# Altium PCB MotherBoard.PcbDoc (part 6 of 10) (continued)
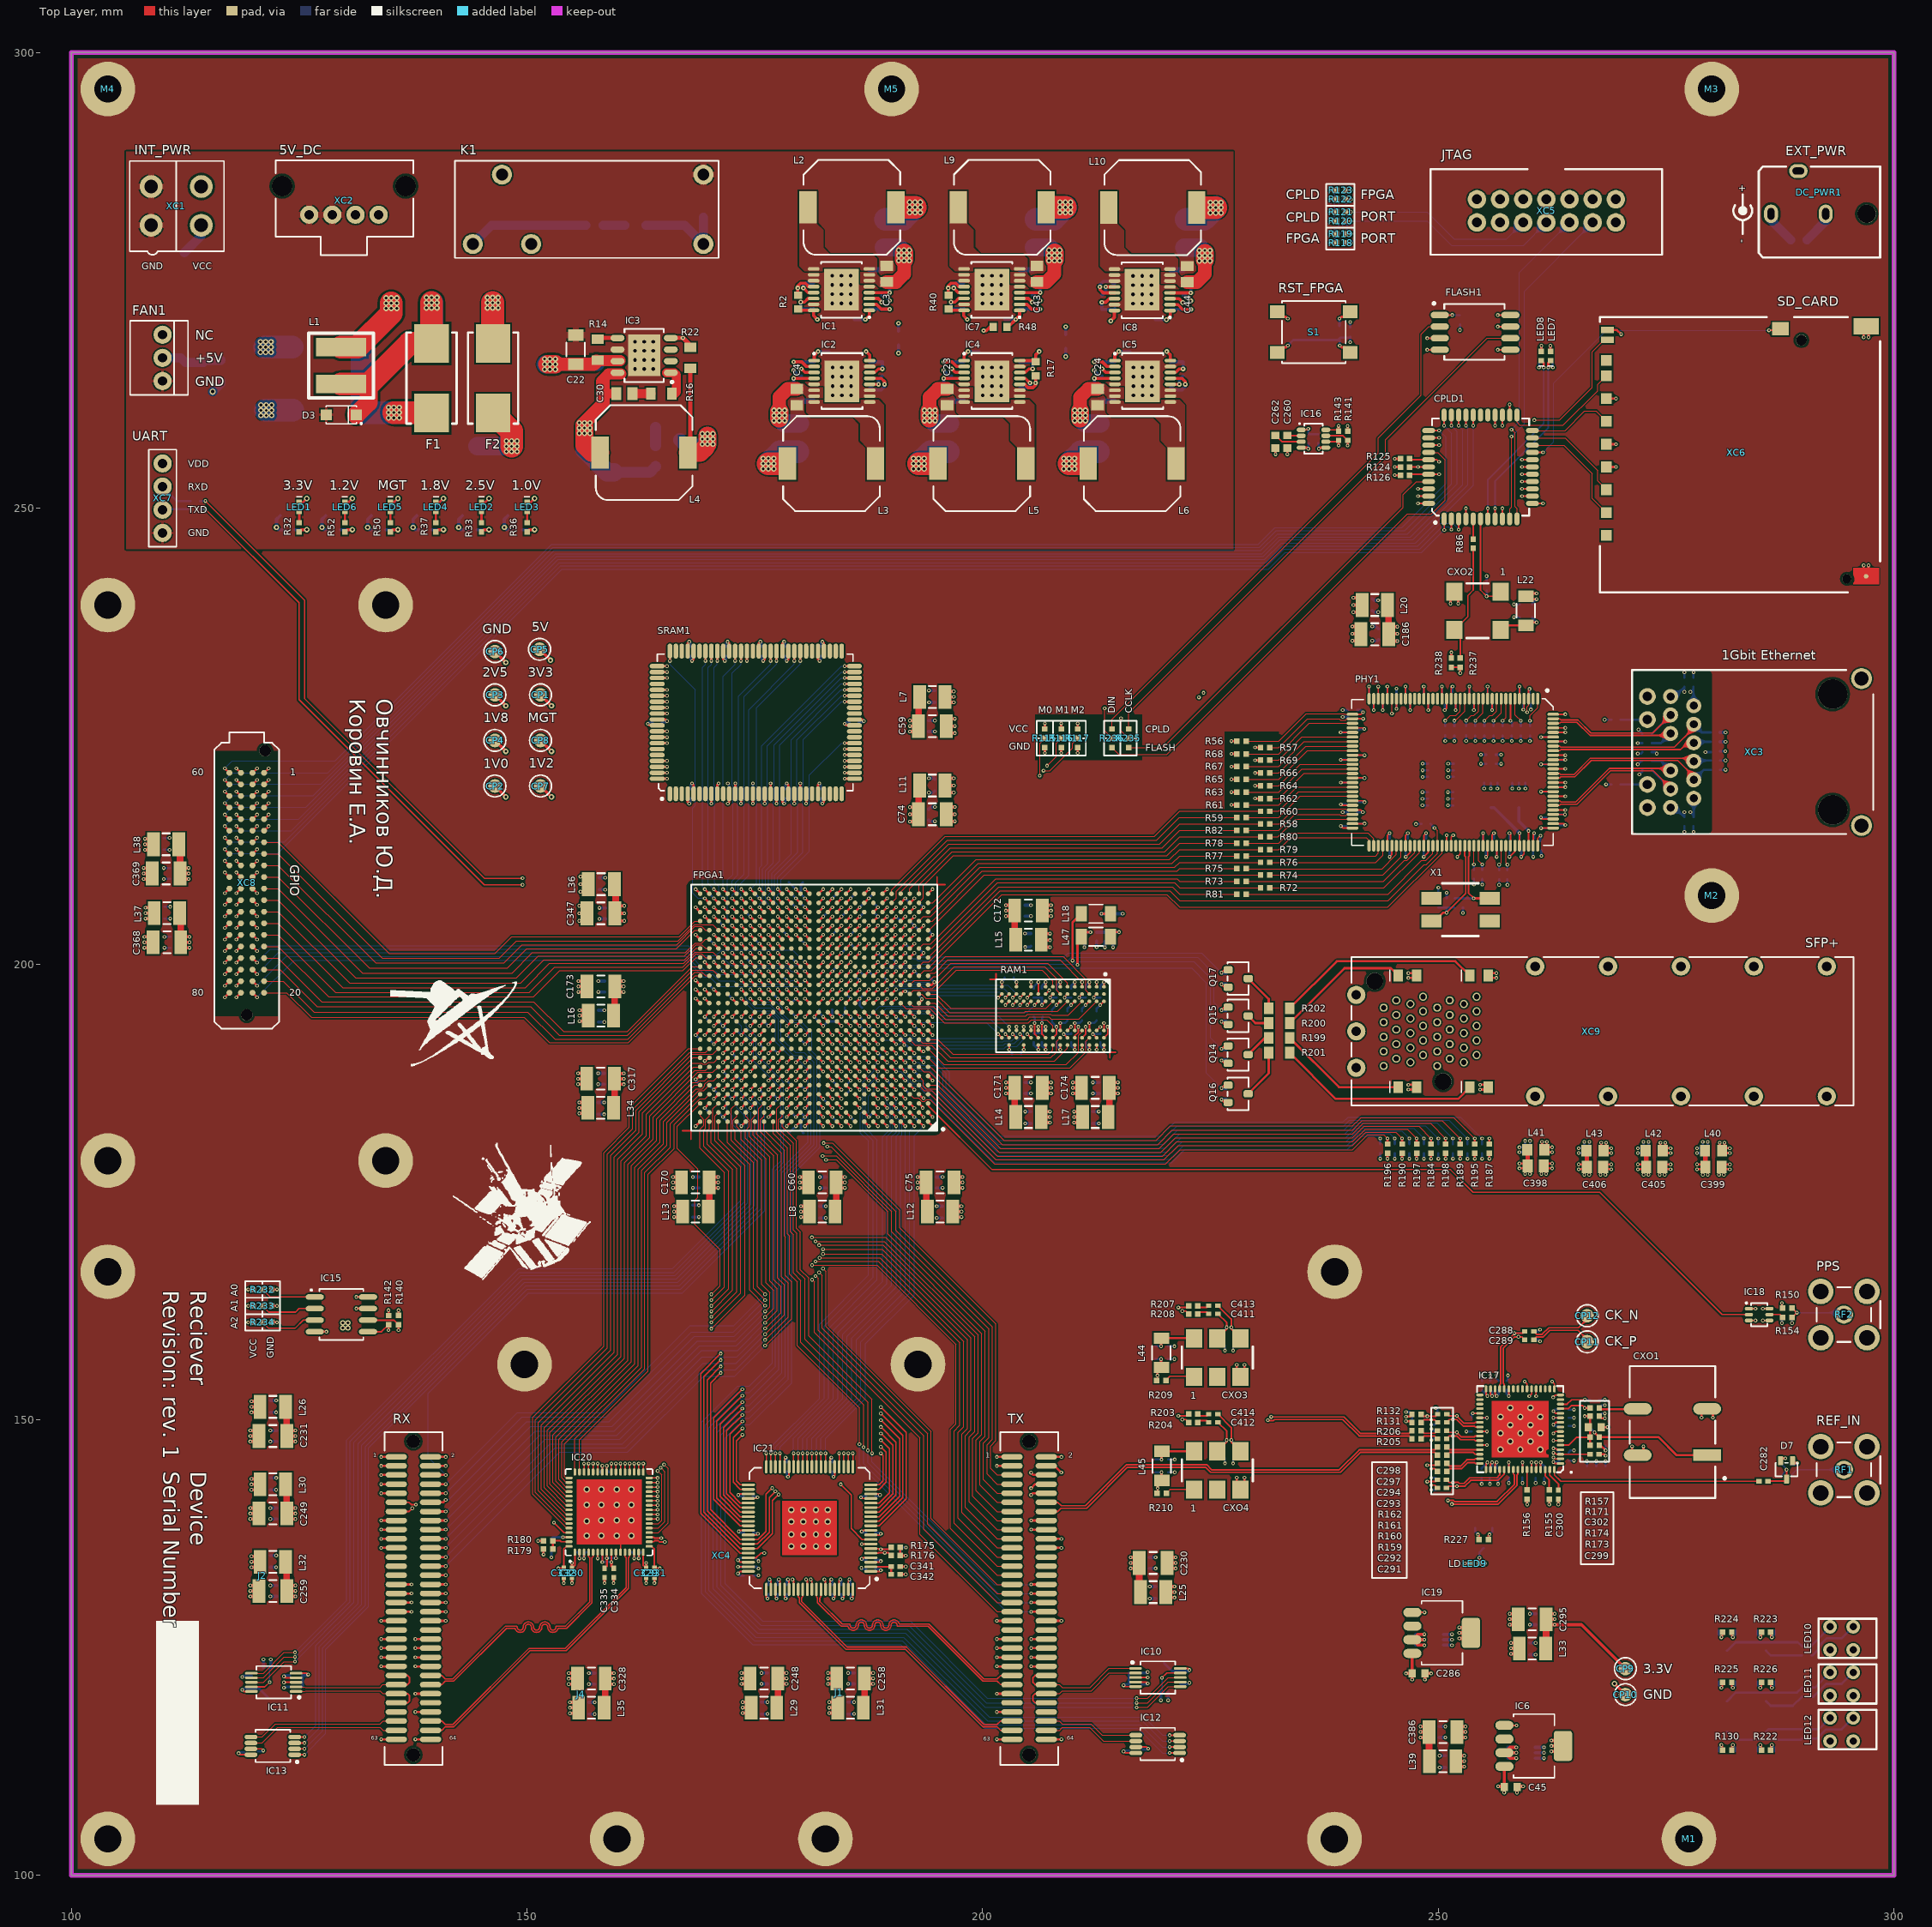
[diagram p0: Top Layer view]
## Nets (pads, with @x,y where several pads share a name; then routed paths per layer and width w, separated by ;. In a path a pad name is that pad's centre, name@x,y a point inside that pad or via, vN(x,y) a via of type N, cw(c..) or ccw(c..) an arc to the next point about the centre after c; other vN are vias at no path point) (continued)
  Top Layer w0.35: v1(107.927,209.325) C369.1@108.877,209.325 ; v1(107.927,209.925) C369.1@108.877,209.925 ; v1(107.927,210.525) C369.1@108.877,210.525 ; v1(108.002,201.775) C368.2@108.952,201.775 ; v1(108.002,202.375) C368.2@108.952,202.375 ; v1(108.002,202.975) C368.2@108.952,202.975 ; v1(119.626,139.1) C249.2@120.576,139.1 ; v1(119.626,139.7) C249.2@120.576,139.7 ; v1(119.626,140.3) C249.2@120.576,140.3 ; v1(119.626,147.6) C231.2@120.576,147.6 ; v1(119.626,148.2) C231.2@120.576,148.2 ; v1(119.626,148.8) C231.2@120.576,148.8 ; CP6.1@146.475,234.275 v2(147.675,233.075) ; v1(155.602,186.8) C317.2@156.552,186.8 ; v1(155.602,187.4) C317.2@156.552,187.4 ; v1(155.602,188) C317.2@156.552,188 ; v1(155.626,196.925) C173.1@156.576,196.925 ; v1(155.626,197.525) C173.1@156.576,197.525 ; v1(155.626,198.125) C173.1@156.576,198.125 ; v1(155.726,204.725) 156.452,204.725 C347.1@156.677,204.95 ; v1(155.726,206.375) 156.452,206.375 C347.1@156.677,206.15 ; v1(155.728,205.55) C347.1@156.677,205.55 ; v1(166.001,175.425) C170.1@166.951,175.425 ; v1(166.001,176.025) C170.1@166.951,176.025 ; v1(166.001,176.625) C170.1@166.951,176.625 ; v1(173.526,121) C248.2@174.476,121 ; v1(173.526,121.6) C248.2@174.476,121.6 ; v1(173.526,122.2) C248.2@174.476,122.2 ; v1(179.926,175.425) C60.2@180.876,175.425 ; v1(179.926,176.025) C60.2@180.876,176.025 ; v1(179.926,176.625) C60.2@180.876,176.625 ; C74.2@195.999,215.825 196.174,215.65 v1(196.95,215.65) ; C74.2@195.999,216.425 v1(196.949,216.425) ; C74.2@195.999,217.025 196.199,217.225 v1(196.95,217.225) ; C59.2@195.999,225.5 196.174,225.325 v1(196.95,225.325) ; C59.2@195.999,226.1 v1(196.949,226.1) ; C59.2@195.999,226.7 196.199,226.9 v1(196.95,226.9) ; C75.2@196.848,175.425 v1(197.798,175.425) ; C75.2@196.848,176.025 v1(197.798,176.025) ; C75.2@196.848,176.625 v1(197.798,176.625) ; C171.2@206.548,185.8 v1(207.497,185.8) ; C171.2@206.548,186.4 v1(207.497,186.4) ; C171.2@206.548,187 v1(207.497,187) ; C172.1@206.548,205.25 v1(207.497,205.25) ; C172.1@206.548,205.85 v1(207.497,205.85) ; C172.1@206.548,206.45 v1(207.497,206.45) ; v1(209.89,185.8) C174.2@210.84,185.8 ; v1(209.89,186.4) C174.2@210.84,186.4 ; v1(209.89,187) C174.2@210.84,187 ; C230.2@220.224,133.675 v1(221.174,133.675) ; C230.2@220.224,134.275 v1(221.174,134.275) ; C230.2@220.224,134.875 v1(221.174,134.875) ; v1(240.547,235.45) 241.323,235.45 C186.2@241.498,235.625 ; v1(240.547,237.025) 241.298,237.025 C186.2@241.498,236.825 ; v1(240.548,236.225) C186.2@241.498,236.225 ; v1(248.525,121.475) C286.2@248.525,122.15 v1(249.2,122.15) ; C386.1@252.024,115.125 v1(252.974,115.125) ; C386.1@252.024,115.725 v1(252.974,115.725) ; C386.1@252.024,116.325 v1(252.974,116.325) ; v1(252.3,126) 252.975,126 IC19.5@253.575,126.6 ; v1(252.3,126.6) IC19.5@253.575,126.6 ; v1(252.3,127.2) 252.975,127.2 IC19.5@253.575,126.6 ; v1(257.826,127.5) C295.1@258.776,127.5 ; v1(257.826,128.1) C295.1@258.776,128.1 ; v1(257.826,128.7) C295.1@258.776,128.7 ; v1(258.625,109.075) 258.625,109.75 v1(259.3,109.75) ; v1(262.4,113.6) 263.075,113.6 IC6.5@263.675,114.2 ; v1(262.4,114.2) IC6.5@263.675,114.2 ; v1(262.4,114.8) 263.075,114.8 IC6.5@263.675,114.2 ; v2(269.325,121.025) CP10.1@270.525,119.825
  Ground w1: J2.1@120.925,133.525 120.925,136.55 ; 155.9,116.225 J4.1@155.9,119.25 ; 184.2,116.4 J1.1@184.2,119.425
  Bottom Layer w0.18: C428.2@209.693,196.307 C428.2@209.7,196.3 ; v1(226.195,185.117) 226.32,185.242 R230.2@226.755,185.242 ; v1(226.195,189.417) 226.32,189.542 R228.2@226.755,189.542 ; v1(226.195,193.667) 226.32,193.792 R229.2@226.755,193.792 ; v1(226.195,197.767) 226.32,197.892 R231.2@226.755,197.892 ; v1(226.575,145.2) R213.1@226.575,145.817 ; v1(226.575,157.575) R211.1@226.575,158.192 ; v1(227.475,145.2) R214.1@227.475,145.817 ; v1(227.475,157.575) R212.1@227.475,158.192 ; v1(255.608,137.39) Q13.2@255.925,137.707 ; Q7.2@280.733,113.57 280.733,113.983 v1(281.05,114.3) ; v1(282.316,120.57) 282.633,120.887 Q11.2@282.633,121.3 ; v1(282.316,126.115) Q10.2@282.633,126.432 ; Q8.2@285.008,113.57 285.008,113.983 v1(285.325,114.3) ; v1(286.591,120.57) 286.908,120.887 Q12.2@286.908,121.3 ; v1(286.591,126.115) Q9.2@286.908,126.432
  Bottom Layer w0.25: v1(110.127,209.325) C365.2@110.801,209.325 ; v1(110.127,210.525) C367.2@110.801,210.525 ; C361.2@110.128,212.525 v1(110.775,212.525) ; C363.2@110.13,213.825 v1(110.776,213.825) ; v1(110.202,201.775) C364.2@110.876,201.775 ; v1(110.202,202.975) C366.2@110.876,202.975 ; C360.2@110.203,204.975 v1(110.85,204.975) ; C362.2@110.205,206.275 v1(110.851,206.275) ; v1(158.75,144.925) 158.75,144.5 C333.1@159,144.25 ; C358.1@164.8,226.5 165.2,226.5 v1(165.35,226.65) ; C348.1@167.95,219.2 167.95,219.65 v1(168.1,219.8) ; C359.1@167.95,233.8 167.95,233.4 v1(168.1,233.25) ; v1(168.5,192.2) C100.2@169,191.7 ; v1(168.5,203.2) C76.1@169,202.7 ; v1(169.5,200.2) C98.2@170,199.7 ; C85.1@170,186.7 v1(170.5,186.2) C131.1@171,185.7 ; C102.2@170,197.7 v1(170.5,197.2) C82.2@171,196.7 ; C78.2@170,207.7 v1(170.5,207.2) ; C117.1@171,183.7 v1(171.5,183.2) C132.1@172,182.7 ; C83.2@171,193.7 v1(171.5,193.2) C80.2@172,192.7 ; C101.2@171,204.7 v1(171.5,204.2) ; v1(171.7,233.25) 171.85,233.4 C357.1@171.85,233.8 ; v1(172.033,219.811) 172.183,219.661 172.183,219.208 C350.1@172.175,219.2 ; v1(172.5,190.2) C106.1@173,189.7 ; v1(172.5,201.2) C94.1@173,200.7 ; C86.1@173,187.7 v1(173.5,187.2) ; v1(173.5,208.2) C77.2@174,207.7 ; C95.2@174,205.7 v1(174.5,205.2) ; v1(174.5,194.2) C107.1@175,193.7 ; C311.1@174.775,141.6 175.16,141.6 v1(175.285,141.475) ; C352.1@174.775,219.2 174.784,219.209 174.775,219.217 174.784,219.226 v1(174.784,219.811) ; C313.1@174.815,137.6 175.2,137.6 v1(175.325,137.475) ; C96.2@175,202.7 v1(175.5,202.2) ; v1(175.5,191.2) C87.1@176,190.7 ; C355.1@175.75,233.8 175.75,233.4 v1(175.9,233.25) ; v1(176.5,199.2) C104.2@177,198.7 ; C133.1@177,184.675 177,184.7 v1(177.5,185.2) C116.1@177,185.7 ; C84.2@177,196.7 v1(177.5,196.2) ; C79.2@178,203.7 v1(178.5,203.2) C81.2@179,202.7 ; C354.1@178.35,219.2 178.35,219.65 v1(178.5,219.8) ; C353.1@178.35,233.8 178.35,233.4 v1(178.5,233.25) ; C308.1@178.5,144.325 178.5,143.86 v1(178.625,143.735) ; v1(178.5,184.2) C381.2@179,184.7 ; v1(178.5,192.2) C105.1@179,191.7 ; C380.1@179,183.7 v1(179.5,183.2) ; C103.2@179,195.7 v1(179.5,196.2) ; C97.2@179,200.7 v1(179.5,200.2) ; C377.2@179,207.7 v1(179.5,207.2) ; C115.1@180,186.7 v1(180.5,186.2) ; C378.2@180,206.7 v1(180.5,206.2) ; C130.1@182,191.7 v1(182.5,191.2) ; C146.1@182,197.7 v1(182.5,198.2) ; C147.1@182,199.7 v1(182.5,200.2) ; v1(182.075,219.8) 182.25,219.625 C356.1@182.25,219.2 ; v1(182.1,233.25) 182.25,233.4 C351.1@182.25,233.8 ; v1(182.5,193.2) C129.2@183,193.7 ; C374.2@183,182.7 v1(183.5,182.2) ; C396.2@183,185.7 v1(183.5,185.2) ; C395.2@183,186.7 v1(183.5,186.2) ; C113.2@183,190.7 v1(183.5,190.2) ; C89.2@183,192.7 v1(183.5,192.2) ; C108.1@183,196.7 v1(183.5,197.2) ; C109.1@183,198.7 v1(183.5,199.2) C112.1@184,199.7 ; C91.2@183,200.7 v1(183.5,201.2) ; C394.2@183,203.7 v1(183.5,204.2) ; C371.1@183,207.7 v1(183.5,208.2) ; C129.2@183,193.7 C114.2@184,193.7 ; C306.1@183.5,144.325 183.5,143.86 v1(183.625,143.735) ; C391.2@184,184.7 v1(184.5,184.2) ; C90.2@184,191.7 v1(184.5,191.2) C111.1@185,190.7 ; C88.2@184,196.7 v1(184.5,197.2) ; C93.2@184,197.7 v1(184.5,198.2) ; C387.1@184,205.7 v1(184.5,206.2) ; v1(184.85,226.35) 185,226.5 C349.1@185.4,226.5 ; C379.1@185,182.7 v1(185.5,182.2) ; C392.1@185,185.7 v1(185.5,186.2) ; C92.1@185,192.7 v1(185.5,192.2) ; C110.2@185,198.7 v1(185.5,199.2) ; C393.2@185,203.7 v1(185.5,204.2) ; C370.2@185,207.7 v1(185.5,208.2) ; v1(185.5,194.2) C128.1@186,193.7 ; v1(185.5,202.2) C99.1@186,201.7 ; C390.2@186,186.7 v1(186.5,186.2) ; C126.2@186,198.7 v1(186.5,198.2) ; C389.1@186,205.7 v1(186.5,206.2) 186.975,206.675 C372.1@187,206.675 ; v1(186.5,191.2) C127.2@187,190.7 ; v1(186.5,193.2) C145.1@187,192.7 ; v1(186.635,141.475) 186.76,141.6 C314.2@187.225,141.6 ; v1(186.684,133.732) 186.816,133.6 C307.1@187.225,133.6 ; v1(186.715,134.725) 186.84,134.6 C309.1@187.225,134.6 ; L19.1@186.74,195.2 186.5,195.44 v1(186.5,196.2) C144.2@187,196.7 ; C376.2@187,207.7 v1(187.5,208.2) ; v1(187.5,199.2) C140.1@188,198.7 ; C388.2@188,205.7 v1(188.5,205.2) ; C312.2@188.225,137.6 188.69,137.6 v1(188.815,137.475) ; C373.2@189,183.7 v1(189.5,183.2) ; C375.2@189,184.7 v1(189.5,184.2) ; C121.1@189,192.7 v1(189.5,192.2) ; C123.1@190,189.7 v1(190.5,189.2) ; C119.1@190,200.7 v1(190.5,200.2) ; R177.2@190.966,135.075 R178.2@190.966,135.975 ; R178.2@190.974,135.975 v1(191.574,135.975) ; C142.1@191,186.7 v1(191.5,186.2) C143.1@192,185.7 ; v1(191.5,197) 191.7,197 C122.1@192,196.7 ; v1(191.5,207.2) C136.2@192,206.7 ; C125.1@192,183.7 v1(192.5,183.2) C124.1@193,182.7 ; C138.1@192,193.7 v1(192.5,193.2) C139.1@193,192.7 ; C134.1@192,204.7 v1(192.5,204.2) C135.1@193,203.7 ; C120.1@193,190.7 193.3,190.4 v1(193.5,190.4) ; C118.1@193,201.7 v1(193.5,201.2) ; C141.1@194,187.7 v1(194.5,187.2) ; C137.1@194,198.7 v1(194.7,198) ; v1(202.9,190.6) 203.2,190.3 C424.1@203.2,190.1 ; C432.1@203.4,198.5 203.4,198.3 v1(203.7,198) ; R219.1@205.6,192.408 C422.1@206.492,192.408 ; R217.1@205.6,196.292 C437.1@206.492,196.292 ; C422.1@206.5,192.4 206.5,192.701 v1(206.9,193.1) ; v1(206.5,195.5) C437.1@206.5,196.3 ; v1(207.393,196.307) 208.093,196.307 C439.2@208.1,196.3 ; C430.2@207.6,193.8 207.6,193.6 v1(208.1,193.1) C436.1@208.1,192.4 ; v1(208.9,192.3) 209.7,192.3 C427.1@209.7,192.4 ; v1(208.993,196.307) 209.679,196.307 209.686,196.3 C428.2@209.693,196.307 ; C423.2@209.3,194.8 209.3,195.1 v1(209.7,195.5) ; v1(210.1,193.5) 210.299,193.5 210.324,193.525 210.625,193.525 C429.2@210.9,193.8 ; v1(210.593,196.307) 211.293,196.307 C426.1@211.3,196.3 ; C438.1@211.3,192.4 v1(211.3,193.1) ; v1(212.1,192.3) C434.1@212.9,192.3 ; v1(212.193,196.307) 212.893,196.307 C435.2@212.9,196.3 ; C431.1@212.5,194.8 212.5,195.1 v1(212.9,195.5) ; C434.1@212.9,192.3 C434.1@212.9,192.4 ; C415.1@220.325,156.65 v1(221.039,156.65) ; C409.2@220.325,158.05 v1(221.039,158.05) ; C416.1@220.35,144.225 v1(221.064,144.225) ; C410.2@220.35,145.625 v1(221.064,145.625) ; v1(235.725,256.525) 235.725,257.067 R129.1@235.775,257.117 ; v1(239.27,225.4) C202.1@239.87,225.4 ; v1(239.275,222.4) C196.1@239.875,222.4 ; v1(239.3,215.125) C194.2@239.9,215.125 ; v1(239.3,217.5) C197.2@239.9,217.5 ; v1(239.3,219.9) C199.1@239.9,219.9 ; v1(239.492,216.65) R54.1@240.092,216.65 ; v1(239.5,227.1) R55.2@240.1,227.1 ; C205.2@242.4,229.85 v1(242.4,230.45) ; C198.2@244.4,229.85 v1(244.4,230.45) ; v1(244.65,211.75) C195.2@244.65,212.35 ; R84.2@245.4,229.608 v1(245.4,230.208) ; C207.2@246.4,229.85 v1(246.4,230.45) ; v1(246.425,211.75) C192.2@246.425,212.35 ; v1(246.45,150.837) 246.845,150.837 R139.1@247.101,150.581 ; R138.2@247.109,149.681 R139.1@247.109,150.581 ; v1(248.4,211.75) C193.2@248.4,212.35 ; C201.2@248.4,229.85 v1(248.4,230.45) ; v1(249.209,149.45) 249.626,149.45 R169.1@249.876,149.7 ; v1(249.225,142.3) 249.692,142.3 R165.1@249.892,142.5 ; v1(249.225,143.6) 249.692,143.6 R166.1@249.892,143.4 ; v1(249.226,147.755) 249.376,147.905 R167.1@249.893,147.905 ; v1(249.226,148.98) 249.401,148.805 R168.1@249.893,148.805 ; v1(249.717,151.267) 249.892,151.092 R170.1@249.892,150.6 ; C208.2@250.4,229.85 v1(250.4,230.45) ; v1(250.75,224.475) R93.1@250.75,225.075 ; C179.2@250.9,207.2 v1(250.9,207.8) ; C204.2@251.55,229.85 v1(251.55,230.45) ; v1(251.75,224.475) R92.2@251.75,225.075 ; v1(252.7,205.6) C181.2@252.7,206.2 ; v1(253.05,224.475) R91.1@253.05,225.075 ; v1(253.075,148.7) C281.1@253.65,148.7 ; C210.2@253.4,229.85 v1(253.4,230.45) ; C280.1@253.65,150.2 253.65,150.575 v1(253.775,150.7) ; v1(254.75,142.944) C265.1@254.75,143.625 ; C279.1@254.8,154.275 v1(254.8,154.85) ; v1(255.025,219.248) C175.1@255.025,219.848 ; v1(255.225,211.75) C191.2@255.225,212.35 ; C206.2@255.4,229.85 v1(255.4,230.45) ; v1(255.65,142.944) C266.2@255.65,143.625 ; C278.2@255.7,154.275 v1(255.7,154.85) ; v1(255.75,219.248) C175.1@255.75,219.848 ; Q13.2@255.925,137.707 Q13.2@255.925,138.12 ; v1(256.375,154.85) 256.375,154.5 C277.1@256.6,154.275 ; v1(256.4,211.75) C190.1@256.4,212.35 ; v1(256.475,219.248) C175.1@256.475,219.848 ; v1(256.55,142.944) C267.1@256.55,143.625 ; v1(256.675,208.675) R95.1@256.675,209.275 ; v1(257.05,224.467) R109.1@257.05,225.067 ; C276.1@257.5,154.275 257.625,154.4 v1(257.625,154.85) ; v1(257.575,208.675) R94.1@257.575,209.275 ; v1(257.725,143.05) C268.2@257.725,143.625 ; v1(257.8,211.75) C217.2@257.8,212.35 ; v1(258.05,224.467) R108.1@258.05,225.067 ; v1(258.1,219.248) C176.1@258.1,219.848 ; v1(258.3,238.05) C188.2@258.9,238.05 ; v1(258.3,239.45) C189.1@258.9,239.45 ; v1(258.825,219.248) C176.1@258.825,219.848 ; v1(258.891,179.349) C400.1@259.811,179.349 ; v1(258.891,179.879) C400.1@259.811,179.879 ; C212.2@258.9,229.85 v1(258.9,230.45) ; v1(259.05,224.467) R90.2@259.05,225.067 ; v1(259.1,211.75) C177.1@259.1,212.35 ; v1@259.225,143.075 C269.1@259.225,143.65 ; v1(259.513,180.584) 259.513,179.605 259.525,179.593 C400.1@259.521,179.589 ; v1(259.55,219.248) C176.1@259.55,219.848 ; v1(260.05,224.467) R89.2@260.05,225.067 ; C400.1@260.051,179.589 260.063,179.601 v1(260.063,180.584) ; v1(260.4,211.75) C215.2@260.4,212.35 ; R163.1@260.483,158.781 260.969,158.781 v1(261.15,158.6) ; R164.1@260.483,159.675 260.969,159.675 v1(261.15,159.856) ; v1(260.675,143.05) C270.2@260.675,143.625 ; v1(261.299,176.97) C402.2@261.299,177.89 ; v1(261.3,211.863) R83.2@261.3,212.463 ; C402.2@261.561,177.571 v1(262.481,177.571) ; C402.2@261.561,178.101 v1(262.481,178.101) ; v1(261.6,143.05) C271.1@261.6,143.625 ; v1(261.829,176.97) C402.2@261.829,177.89 ; C214.2@263.3,216.4 v1(263.9,216.4) ; C216.2@263.325,215.25 v1(263.925,215.25) ; C213.2@263.325,219.4 v1(263.925,219.4) ; C211.2@263.325,222.4 v1(263.925,222.4) ; C209.2@263.325,224.4 v1(263.925,224.4) ; C272.2@264.3,145.5 v1(264.875,145.5) ; C264.2@264.3,146.4 264.525,146.625 v1(264.875,146.625) ; C275.1@264.3,149.3 v1(264.875,149.3) ; C273.1@264.3,150.2 v1(264.875,150.2) ; C274.2@264.3,151.1 v1(264.875,151.1) ; v1(265.391,179.249) C404.1@266.311,179.249 ; v1(265.391,179.779) C404.1@266.311,179.779 ; v1(266.013,180.484) 266.013,179.505 266.025,179.493 C404.1@266.021,179.489 ; C303.2@266.3,144.875 v1(266.3,145.45) ; C404.1@266.551,179.489 266.563,179.501 v1(266.563,180.484) ; C303.2@267.325,144.875 v1(267.325,145.45) ; C301.2@267.65,152.175 v1(268.275,152.175) ; R172.2@267.658,150.375 267.958,150.675 v1(268.275,150.675) ; R158.2@267.658,151.275 267.958,151.575 v1(268.275,151.575) ; v1(267.799,176.87) C408.2@267.799,177.79 ; C304.1@267.85,149.175 v1(268.55,149.175) ; C408.2@268.061,177.471 v1(268.981,177.471) ; C408.2@268.061,178.001 v1(268.981,178.001) ; v1(268.329,176.87) C408.2@268.329,177.79 ; C303.2@268.35,144.875 v1(268.35,145.45) ; v1(268.392,219.7) R106.2@268.992,219.7 ; v1(271.891,179.249) C403.1@272.811,179.249 ; v1(271.891,179.779) C403.1@272.811,179.779 ; v1(272.513,180.484) 272.513,179.505 272.525,179.493 C403.1@272.521,179.489 ; C403.1@273.051,179.489 273.063,179.501 v1(273.063,180.484) ; C200.2@273.4,223.244 273.781,223.244 v1(273.95,223.075) ; v1(274.299,176.87) C407.2@274.299,177.79 ; C407.2@274.561,177.471 v1(275.481,177.471) ; C407.2@274.561,178.001 v1(275.481,178.001) ; v1(274.829,176.87) C407.2@274.829,177.79 ; v1(277,214.5) C221.2@277,215.1 ; C218.2@277,231.4 v1(277,232) ; v1(278,214.5) C220.2@278,215.1 ; C219.2@278,231.4 v1(278,232) ; v1(278.391,179.249) C397.1@279.311,179.249 ; v1(278.391,179.779) C397.1@279.311,179.779 ; v1(279.013,180.484) 279.013,179.505 279.025,179.493 C397.1@279.021,179.489 ; v1(279.3,223.244) C203.2@279.9,223.244 ; C397.1@279.551,179.489 279.563,179.501 v1(279.563,180.484) ; v1(280.799,176.87) C401.2@280.799,177.79 ; C401.2@281.061,177.471 v1(281.981,177.471) ; C401.2@281.061,178.001 v1(281.981,178.001) ; v1(281.329,176.87) C401.2@281.329,177.79 ; Q10.2@282.633,126.432 Q10.2@282.633,126.845 ; Q9.2@286.908,126.432 Q9.2@286.908,126.845 ; v1(287.7,160.6) C263.1@287.7,161.225 ; R152.2@288.708,145.1 289.265,145.1 v1(289.396,145.231) ; v1(288.8,160.592) R153.1@288.8,161.217
  Bottom Layer w0.3: C261.2@239.15,270.025 v1(239.15,270.8)
  Bottom Layer w0.35: v1(121.826,139.1) C247.2@122.5,139.1 ; v1(121.826,140.3) C245.2@122.5,140.3 ; v1(121.826,147.6) C229.2@122.5,147.6 ; v1(121.826,148.8) C227.2@122.5,148.8 ; C253.2@121.827,133.8 v1(122.474,133.8) ; C243.2@121.827,142.3 v1(122.474,142.3) ; C225.2@121.827,150.8 v1(122.474,150.8) ; C251.2@121.828,135.1 v1(122.475,135.1) ; C241.2@121.828,143.6 v1(122.475,143.6) ; C223.2@121.828,152.1 v1(122.475,152.1) ; C318.2@156.779,118.984 v1(157.426,118.984) ; C319.2@156.781,117.684 v1(157.427,117.684) ; C310.2@157.803,184.8 v1(158.45,184.8) ; v1(157.802,186.8) C315.2@158.476,186.8 ; v1(157.802,188) C316.2@158.476,188 ; C305.2@157.805,183.5 v1(158.451,183.5) ; C151.2@157.827,194.925 v1(158.474,194.925) ; v1(157.826,196.925) C168.2@158.5,196.925 ; v1(157.826,198.125) C162.2@158.5,198.125 ; C157.2@157.829,193.625 v1(158.475,193.625) ; v1(157.928,204.95) C346.2@158.601,204.95 ; v1(157.928,206.15) C345.2@158.601,206.15 ; C344.2@157.928,208.15 v1(158.575,208.15) ; C343.2@157.93,209.45 v1(158.576,209.45) ; v1(168.201,175.425) C165.2@168.875,175.425 ; v1(168.201,176.625) C159.2@168.875,176.625 ; C154.2@168.202,172.225 v1(168.849,172.225) ; C148.2@168.204,173.525 v1(168.85,173.525) ; v1(175.726,121) C244.2@176.4,121 ; v1(175.726,122.2) C246.2@176.4,122.2 ; C240.2@175.727,119 v1(176.374,119) ; C242.2@175.729,117.7 v1(176.375,117.7) ; C42.2@182.127,173.425 v1(182.774,173.425) ; v1(182.126,175.425) C57.2@182.8,175.425 ; v1(182.126,176.625) C53.2@182.8,176.625 ; C47.2@182.129,172.125 v1(182.775,172.125) ; C252.2@185.227,119 v1(185.874,119) ; C250.2@185.229,117.7 v1(185.875,117.7) ; C68.2@194.075,215.775 194.2,215.65 v1(194.75,215.65) ; C72.2@194.075,216.975 194.325,217.225 v1(194.75,217.225) ; C56.2@194.075,225.5 v1(194.749,225.5) ; C52.2@194.075,226.7 v1(194.749,226.7) ; v1(194.1,218.8) 194.573,218.8 C61.1@194.748,218.975 ; v1(194.1,220.375) 194.646,220.375 C64.1@194.747,220.275 ; v1(194.1,230) C41.2@194.747,230 ; v1(194.101,228.7) C46.2@194.748,228.7 ; C69.2@194.924,175.425 v1(195.598,175.425) ; C73.2@194.924,176.625 v1(195.598,176.625) ; v1(194.949,172.125) C62.1@195.596,172.125 ; v1(194.951,173.425) C65.2@195.597,173.425 ; C160.2@204.624,185.8 v1(205.297,185.8) ; C166.2@204.624,187 v1(205.297,187) ; C161.2@204.624,205.25 v1(205.297,205.25) ; C167.2@204.624,206.45 v1(205.297,206.45) ; v1(204.638,203.35) C156.2@205.299,203.35 ; v1(204.647,201.85) 205.199,201.85 C150.2@205.299,201.95 ; v1(204.649,182.5) C149.2@205.295,182.5 ; v1(204.65,183.8) C155.2@205.296,183.8 ; v1(211.161,201.827) C433.1@211.161,202.488 ; v1(212.09,185.8) C169.2@212.764,185.8 ; v1(212.09,187) C163.2@212.764,187 ; C152.1@212.091,183.8 v1(212.738,183.8) ; C158.2@212.092,182.5 v1(212.739,182.5) ; v1(212.5,201.827) C425.2@212.5,202.488 ; v1(213.4,201.819) R221.2@213.4,202.48 ; C153.1@214.7,205.505 v1(215.361,205.505) ; C226.2@218.3,133.675 v1(218.974,133.675) ; C228.2@218.3,134.875 v1(218.974,134.875) ; v1(218.325,130.375) C222.2@218.971,130.375 ; v1(218.326,131.675) C224.2@218.973,131.675 ; v1(242.747,235.45) 243.297,235.45 C184.2@243.422,235.575 ; v1(242.747,237.025) 243.172,237.025 C182.2@243.422,236.775 ; C178.2@242.747,240.075 242.922,239.9 v1(243.395,239.9) ; C180.2@242.749,238.775 242.924,238.6 v1(243.397,238.6) ; v1(248.525,121.475) C284.2@248.525,122.15 v1(249.2,122.15) ; C385.2@250.1,115.125 v1(250.774,115.125) ; C384.2@250.1,116.325 v1(250.774,116.325) ; v1(250.125,111.825) C383.2@250.771,111.825 ; v1(250.126,113.125) C382.2@250.773,113.125 ; C296.2@250.549,125.25 v1(251.499,125.25) ; C296.2@250.549,125.85 v1(251.499,125.85) ; C296.2@250.549,126.45 v1(251.499,126.45) ; v1(258.625,109.075) 258.625,109.75 v1(259.3,109.75) ; v1(260.026,127.5) C290.2@260.7,127.5 ; v1(260.026,128.7) C287.2@260.7,128.7 ; C283.2@260.027,125.5 v1(260.674,125.5) ; C285.2@260.029,124.2 v1(260.675,124.2) ; C58.2@260.649,112.85 v1(261.599,112.85) ; C58.2@260.649,113.45 v1(261.599,113.45) ; C58.2@260.649,114.05 v1(261.599,114.05)
  Bottom Layer w1: C1.1@290.439,279.45 292.5,281.511 DC_PWR1.3@292.5,282.3
  other v1: 259.225,143.05 243.4,230.425
  other v3: 179,136.1 180.3,136.1 181.7,136.1 183,136.1 156.55,137.25 158.15,137.25 159.85,137.25 179,137.4 180.3,137.4 181.7,137.4 183,137.4 179,138.8 180.3,138.8 181.7,138.8 183,138.8 156.55,138.85 158.15,138.95 159.85,138.95 161.45,138.95 179,140.1 180.3,140.1 181.7,140.1 156.55,140.65 158.15,140.65 159.85,140.65 161.45,140.65 156.55,142.35 158.15,142.35 159.85,142.35 161.45,142.35 256.8,146.711 259,146.711 261.189,146.711 257.9,147.611 260.1,147.611 256.8,148.511 259,148.511 261.189,148.511 257.9,149.411 260.1,149.411 256.8,150.311 259,150.311 257.9,151.3 260.1,151.3 183.532,262.39 184.548,262.39 185.564,262.39 199.994,262.39 201.01,262.39 202.026,262.39 216.532,262.39 217.548,262.39 218.564,262.39 183.532,263.406 184.548,263.406 185.564,263.406 199.994,263.406 201.01,263.406 202.026,263.406 216.532,263.406 217.548,263.406 218.564,263.406 183.532,264.422 184.548,264.422 185.564,264.422 199.994,264.422 201.01,264.422 202.026,264.422 216.532,264.422 217.548,264.422 218.564,264.422 161.85,265.269 162.85,265.269 163.85,265.269 183.532,265.438 184.548,265.438 185.564,265.438 199.994,265.438 201.01,265.438 202.026,265.438 216.532,265.438 217.548,265.438 218.564,265.438 161.85,266.269 162.85,266.269 163.85,266.269 161.85,267.269 162.85,267.269 163.85,267.269 161.85,268.269 162.85,268.269 163.85,268.269 216.484,272.451 217.5,272.451 218.516,272.451 183.484,272.476 184.5,272.476 185.516,272.476 199.984,272.476 201,272.476 202.016,272.476 216.484,273.467 217.5,273.467 218.516,273.467 183.484,273.492 184.5,273.492 185.516,273.492 199.984,273.492 201,273.492 202.016,273.492 216.484,274.483 217.5,274.483 218.516,274.483 183.484,274.508 184.5,274.508 185.516,274.508 199.984,274.508 201,274.508 202.016,274.508 216.484,275.499 217.5,275.499 218.516,275.499 183.484,275.524 184.5,275.524 185.516,275.524 199.984,275.524 201,275.524 202.016,275.524
GND_XADC: C164.2 FPGA1.M11 FPGA1.N11 FPGA1.N12 FPGA1.P11 FPGA1.P12 L19.2 | length 5.5
  Top Layer w0.25: FPGA1.N12@183,194.7 v1(183.5,194.2) ; FPGA1.P12@183,195.7 v1(183.5,196.2) ; FPGA1.M11@184,193.7 v1(184.5,193.2) ; FPGA1.N11@184,194.7 v1(184.5,194.2) ; FPGA1.P11@184,195.7 v1(184.5,196.2)
  Bottom Layer w0.25: v1@183.484,194.234 183.484,194.984 C164.2@183.5,195 ; v1(184.5,194.2) 184.86,194.56 L19.2@184.86,195.2
GPIO_0: FPGA1.AC24 XC8.1 | length 57.3
  Top Layer w0.25: XC8.1@121.145,220.965 v1(121.645,221.465) ; v1(170.5,205.2) FPGA1.AC24@171,204.7
  Signal Layer 1 w0.1: v1(121.645,221.465) 126.51,216.6 157.2,216.6 168.95,204.85 170.15,204.85 v1(170.5,205.2)
GPIO_1: FPGA1.Y22 XC8.2 | length 59.7
  Top Layer w0.25: XC8.2@121.145,219.695 v1(121.645,220.195) ; v1(172.5,202.2) FPGA1.Y22@173,201.7
  Signal Layer 1 w0.1: v1(121.645,220.195) 125.615,216.225 156.975,216.225 168.725,204.475 169.725,204.475 171.375,202.825 171.875,202.825 v1(172.5,202.2)
GPIO_2: FPGA1.Y23 XC8.3 | length 58.2
  Top Layer w0.25: XC8.3@121.145,218.425 v1(121.645,218.925) ; v1(171.5,202.2) FPGA1.Y23@172,201.7
  Signal Layer 1 w0.1: v1(121.645,218.925) 124.77,215.8 156.775,215.8 168.6,203.975 169.22,203.975 170.995,202.2 v1(171.5,202.2)
GPIO_3: FPGA1.W21 XC8.4 | length 60.2
  Top Layer w0.25: XC8.4@121.145,217.155 v1(121.645,217.655) ; v1(173.5,201.2) FPGA1.W21@174,200.7
  Signal Layer 1 w0.1: v1(121.645,217.655) 124.325,214.975 156.325,214.975 168.025,203.275 168.025,203.125 169.6,201.55 172.645,201.55 172.995,201.2 v1(173.5,201.2)
GPIO_4: FPGA1.V23 XC8.5 | length 58
  Top Layer w0.25: XC8.5@121.145,215.885 v1(121.645,216.385) ; v1(171.5,200.2) FPGA1.V23@172,199.7
  Signal Layer 1 w0.1: v1(121.645,216.385) 123.855,214.175 155.925,214.175 169.275,200.825 170.875,200.825 v1(171.5,200.2)
GPIO_5: FPGA1.V22 XC8.6 | length 58.7
  Top Layer w0.25: XC8.6@121.145,214.615 v1(121.645,215.115) ; v1(172.5,200.2) FPGA1.V22@173,199.7
  Signal Layer 1 w0.1: v1(121.645,215.115) 123.36,213.4 155.425,213.4 168.975,199.85 171.645,199.85 171.995,200.2 v1(172.5,200.2)
GPIO_6: FPGA1.AC26 XC8.7 | length 54.4
  Top Layer w0.1: XC8.7@121.145,213.345 122.69,213.345 134.86,201.175 146.5,201.175 148.3,202.975 166.7,202.975 168.425,204.7 FPGA1.AC26@169,204.7
GPIO_7: FPGA1.AB24 XC8.8 | length 56.3
  Top Layer w0.1: XC8.8@121.145,212.075 122.69,212.075 134.115,200.65 146.975,200.65 148.85,202.525 166.567,202.525 168.342,204.3 170.4,204.3 FPGA1.AB24@171,203.7
GPIO_8: FPGA1.AB25 XC8.9 | length 55.1
  Top Layer w0.1: XC8.9@121.145,210.805 122.69,210.805 133.395,200.1 147.45,200.1 149.45,202.1 166.425,202.1 168.425,204.1 169.166,204.1 169.566,203.7 FPGA1.AB25@170,203.7
GPIO_9: FPGA1.AB26 XC8.10 | length 53.7
  Top Layer w0.1: XC8.10@121.145,209.535 122.69,209.535 132.675,199.55 147.85,199.55 149.95,201.65 166.375,201.65 168.425,203.7 FPGA1.AB26@169,203.7
GPIO_10: FPGA1.AA25 XC8.11 | length 54.2
  Top Layer w0.1: XC8.11@121.145,208.265 122.69,208.265 131.955,199 148.35,199 150.575,201.225 167.367,201.225 168.442,202.3 169.175,202.3 169.575,202.7 FPGA1.AA25@170,202.7
GPIO_11: FPGA1.Y25 XC8.12 | length 54.1
  Top Layer w0.1: XC8.12@121.145,206.995 122.69,206.995 131.21,198.475 148.85,198.475 151.25,200.875 167.3,200.875 168.525,202.1 169.166,202.1 169.566,201.7 FPGA1.Y25@170,201.7
GPIO_12: FPGA1.Y26 XC8.13 | length 52.7
  Top Layer w0.1: XC8.13@121.145,205.725 122.69,205.725 130.515,197.9 149.3,197.9 151.85,200.45 167.275,200.45 168.525,201.7 FPGA1.Y26@169,201.7
GPIO_13: FPGA1.W24 XC8.14 | length 54.7
  Top Layer w0.1: XC8.14@121.145,204.455 122.69,204.455 129.77,197.375 149.8,197.375 152.475,200.05 167.192,200.05 168.442,201.3 170.4,201.3 FPGA1.W24@171,200.7
GPIO_14: FPGA1.W25 XC8.15 | length 53.4
  Top Layer w0.1: XC8.15@121.145,203.185 122.69,203.185 129,196.875 150.25,196.875 153.025,199.65 167.075,199.65 168.525,201.1 169.166,201.1 169.566,200.7 FPGA1.W25@170,200.7
GPIO_15: FPGA1.W26 XC8.16 | length 51.9
  Top Layer w0.1: XC8.16@121.145,201.915 122.69,201.915 128.205,196.4 150.7,196.4 153.575,199.275 167.1,199.275 168.525,200.7 FPGA1.W26@169,200.7
GPIO_16: FPGA1.V26 XC8.17 | length 54.1
  Top Layer w0.1: XC8.17@121.145,200.645 122.69,200.645 127.485,195.85 150.725,195.85 154,192.575 161,192.575 168.125,199.7 FPGA1.V26@169,199.7
GPIO_17: FPGA1.U24 XC8.18 | length 56.1
  Top Layer w0.1: XC8.18@121.145,199.375 122.925,199.375 126.975,195.325 150.375,195.325 153.55,192.15 161.025,192.15 168.175,199.3 170.4,199.3 FPGA1.U24@171,198.7
GPIO_18: FPGA1.U25 XC8.19 | length 54.7
  Top Layer w0.1: XC8.19@121.145,198.105 123.255,198.105 126.635,194.725 150.075,194.725 153.075,191.725 161.05,191.725 168.425,199.1 169.166,199.1 169.566,198.7 FPGA1.U25@170,198.7